# Altium PCB Wolf-Lite_UM.PcbDoc
Units mm, origin at the board's own origin, x right, y up, seen from the top; angles counter-clockwise.
Board outline 136.3 x 62 mm, 2 copper layers (Top Layer, Bottom Layer), stack 1.671 mm thick; 150 components, 73 nets, 426 pads, 173 vias.
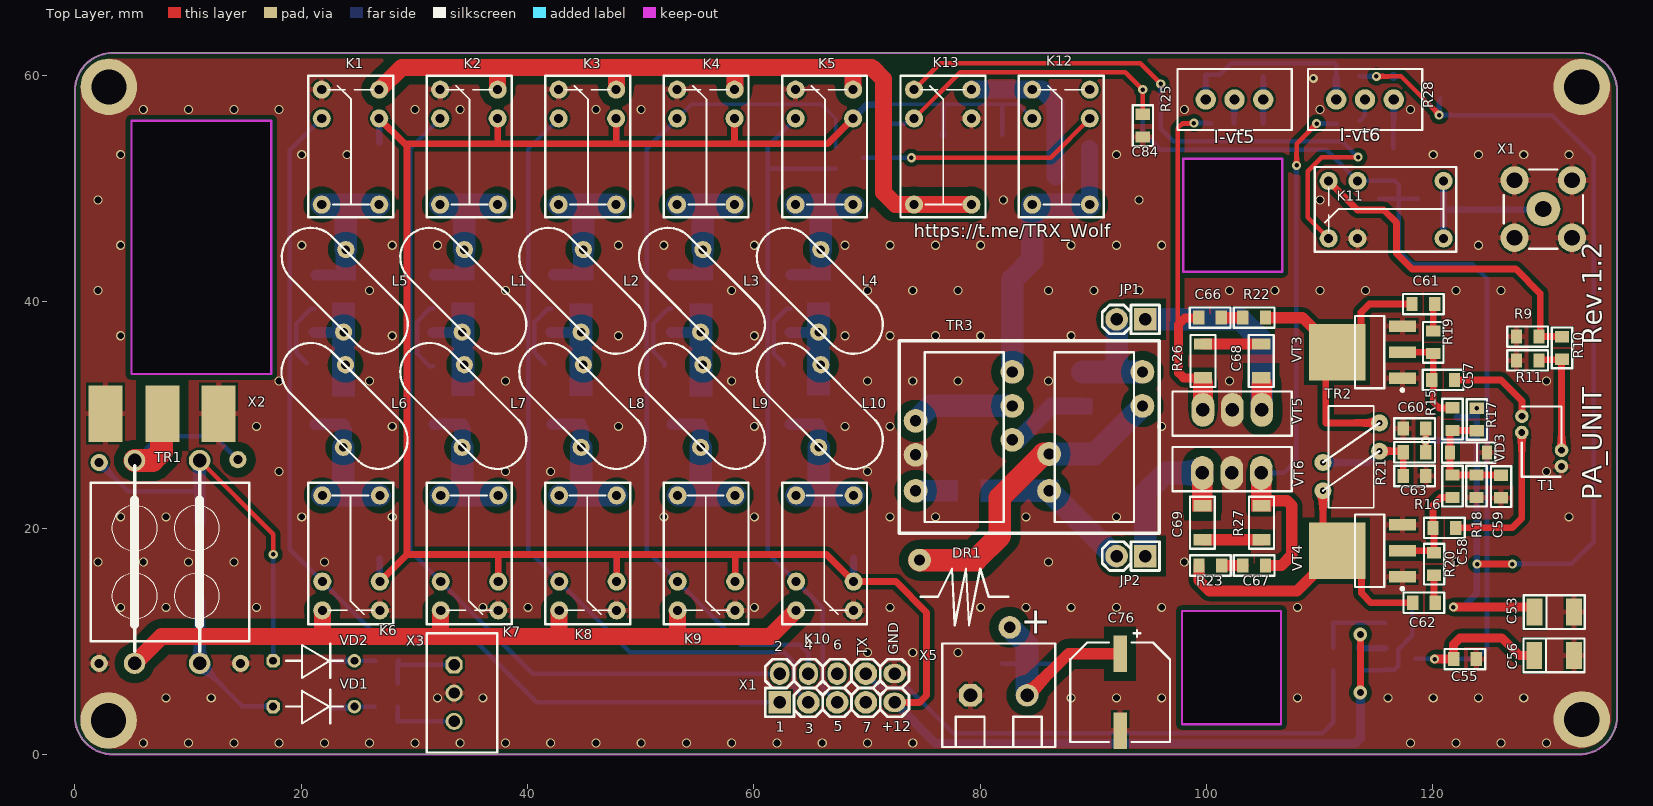
[diagram p0: Top Layer view]
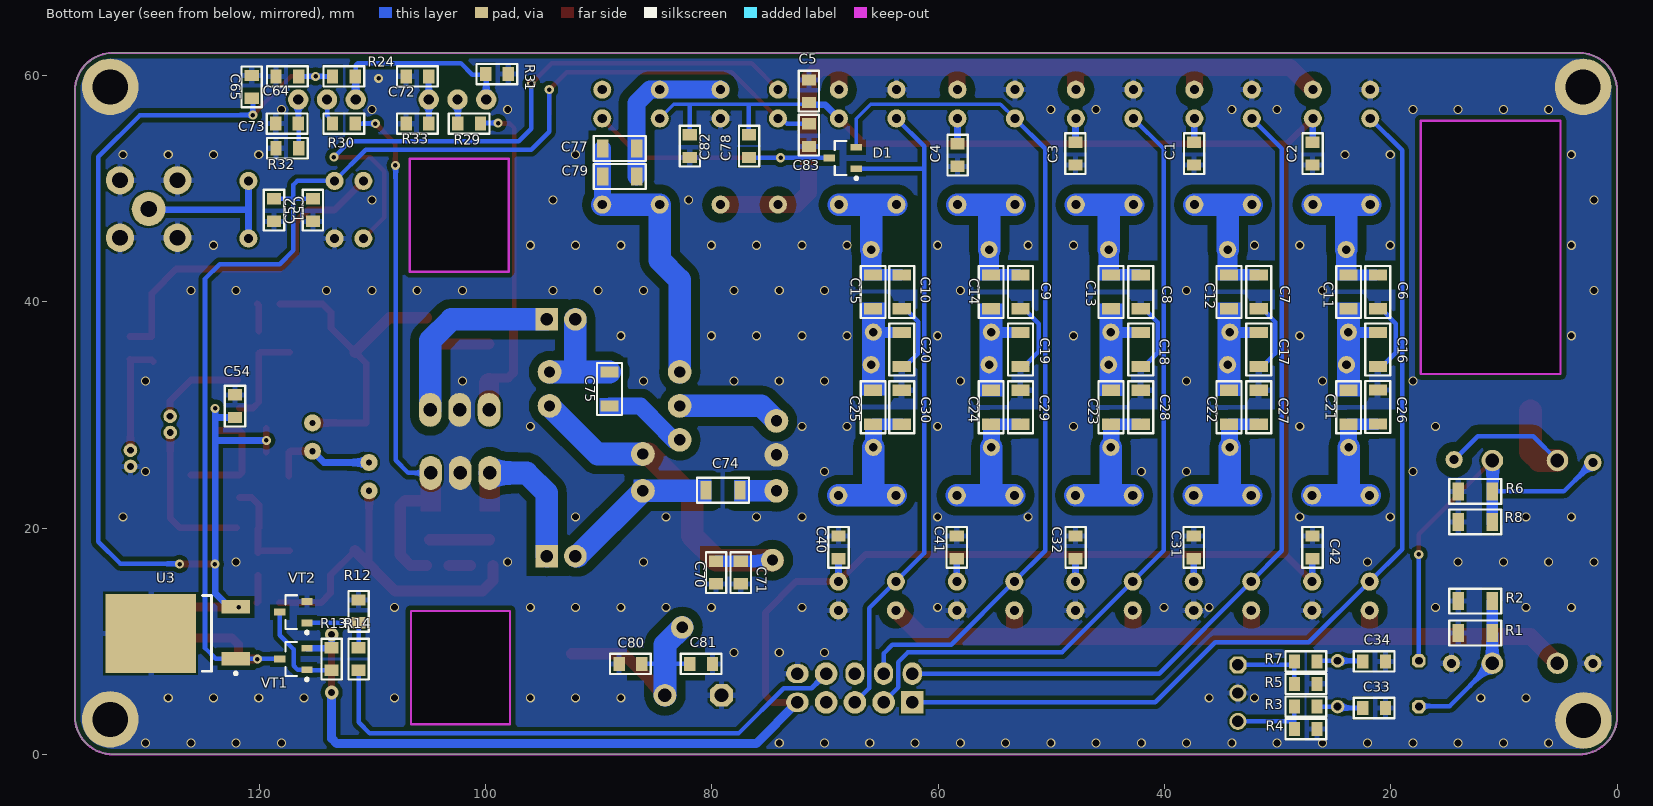
[diagram p1: Bottom Layer view, seen from below]

## Layer stack, top to bottom
Top Solder: solder mask 0.0102, Solder Resist, Dk 3.5
Top Layer: signal copper 0.0356
Dielectric 1: dielectric 1.6, FR-4, Dk 4.8
Bottom Layer: signal copper 0.0356
Bottom Solder: solder mask 0.0102, Solder Resist, Dk 3.5

## Board outline
0,3.375 0,33.625 0,58.625 0,58.846 0.058,59.285 0.172,59.712 0.342,60.121 0.563,60.504 0.832,60.855 1.145,61.168 1.496,61.437 1.879,61.658 2.288,61.828 2.715,61.942 3.154,62 3.375,62 20.725,62 132.925,62 133.146,62 133.585,61.942 134.012,61.828 134.421,61.658 134.804,61.437 135.155,61.168 135.468,60.855 135.737,60.504 135.958,60.121 136.128,59.712 136.242,59.285 136.3,58.846 136.3,58.625 136.3,3.375 136.3,3.154 136.242,2.715 136.128,2.288 135.958,1.879 135.737,1.496 135.468,1.145 135.155,0.832 134.804,0.563 134.421,0.342 134.012,0.172 133.585,0.058 133.146,0 132.925,0 3.375,0 3.154,0 2.715,0.058 2.288,0.172 1.879,0.342 1.496,0.563 1.145,0.832 0.832,1.145 0.563,1.496 0.342,1.879 0.172,2.288 0.058,2.715 0,3.154 0,3.375
cut-out: 5,33.625 17.35,33.625 17.35,56 5,56
cut-out: 97.95,42.65 97.95,52.65 106.7,52.65 106.7,42.65
cut-out: 97.85,2.675 97.85,12.675 106.6,12.675 106.6,2.675

## Design rules (kind name [scope] priority, off if disabled: settings)
BoardOutlineClearance [All] p1: gap=0.3 ignorepadtopadclearanceinfootprint=FALSE
Clearance ZAZOR [InNetClass('ZAZOR')] p1: gap=0.4 ignorepadtopadclearanceinfootprint=FALSE except(0.8: Arc-Fill Arc-Poly Arc-Region Track-Fill Track-Poly Track-Region SMDPad-Fill SMDPad-Poly SMDPad-Region THPad-Fill THPad-Poly THPad-Region Via-Fill Via-Poly Via-Region Fill-Fill Fill-Poly Fill-Region Poly-Poly Poly-Region Region-Region)
Clearance Clearance_NPTH [All vs InPadClass('NPTH')] p2: gap=0.4 ignorepadtopadclearanceinfootprint=FALSE except(0: Arc-Hole Track-Hole SMDPad-Hole THPad-Hole Via-Hole Fill-Hole Poly-Hole Region-Hole Text-Hole)
Clearance Clearance_MultiLayerPad [OnLayer('Multi-Layer') and IsPad] p3: gap=0.2 ignorepadtopadclearanceinfootprint=FALSE except(0: Arc-Hole Track-Hole SMDPad-Hole THPad-Hole Via-Hole Fill-Hole Poly-Hole Region-Hole Text-Hole)
Clearance Clearance_Polygon [InPolygon] p4: gap=0.4 ignorepadtopadclearanceinfootprint=FALSE except(0: Arc-Hole Track-Hole SMDPad-Hole THPad-Hole Via-Hole Fill-Hole Poly-Hole Region-Hole Text-Hole; 1: Poly-Poly)
Clearance [All] p5: gap=0.15 ignorepadtopadclearanceinfootprint=FALSE except(0: Arc-Hole Track-Hole SMDPad-Hole THPad-Hole Via-Hole Fill-Hole Poly-Hole Region-Hole Text-Hole)
Height [All] p1: minheight=0 maxheight=60 prefheight=12.7
HoleSize [All] p1: absolutevalues=TRUE maxlimit=5 minlimit=0.025 maxpercent=80.000 minpercent=20.000
HoleToHoleClearance [All] p1: gap=0.2 allowstackedmicrovias=TRUE
MinimumSolderMaskSliver [All] p1: minsoldermaskwidth=0.05
PlaneClearance [All] p1: clearance=0.5
PlaneConnect [All] p1: planeconnectstyle=Relief reliefexpansion=0.5 reliefentries=4 reliefconductorwidth=0.3 reliefairgap=0.2
PolygonConnect PolygonConnect_PowerPAD [All vs InPadClass('PowerPAD')] p1: connectstyle=Relief reliefconductorwidth=1 reliefentries=4 polygonreliefangle="90 Angle" airgapwidth=0.3
PolygonConnect PolygonConnect_PadGND [InNet('GND') and IsPad] p2: connectstyle=Relief reliefconductorwidth=0.5 reliefentries=4 polygonreliefangle="90 Angle" airgapwidth=0.2
PolygonConnect PolygonConnect_Via [IsVia] p3: connectstyle=Direct reliefconductorwidth=0.254 reliefentries=4 polygonreliefangle="90 Angle" airgapwidth=0.254
PolygonConnect [All] p4: connectstyle=Relief reliefconductorwidth=0.6 reliefentries=4 polygonreliefangle="90 Angle" airgapwidth=0.3
RoutingVias [All] p1: holewidth=0.3 width=0.7 viastyle="Through Hole" minholewidth=0.3 minwidth=0.7 maxholewidth=0.5 maxwidth=1.2
SilkToSilkClearance [All] p1: silktosilkclearance=0
SilkToSolderMaskClearance [IsPad] p1: minsilkscreentomaskgap=0.05 clearancetoexposedcopper=TRUE
SolderMaskExpansion [All] p1: expansion=0.075 istentingtop=FALSE
Width [All] p1: maxlimit=10 minlimit=0.15 preferedwidth=0.4
22 further rules are at their usual default settings.

## Classes and differential pairs
net class ZAZOR: LPF NetC6_1 NetC7_1 NetC8_1 NetC9_1 NetC10_1 NetC11_1 NetC12_1 NetC13_1 NetC14_1 NetC15_1 NetC21_1 NetC22_1 NetC23_1 NetC24_1 NetC25_1 NetC68_2 NetC69_2 NetC70_1 NetC74_1 NetC74_2 NetC75_1 NetC75_2 NetC77_1 NetC77_2 NetK6_5 NetTR1_3 NetTR3_8 POWER
component class Wolf-Lite_LPF: C1 C2 C3 C4 C5 C6 C7 C8 C9 C10 C11 C12 C13 C14 C15 C16 C17 C18 C19 C20 C21 C22 C23 C24 C25 C26 C27 C28 C29 C30 C31 C32 C33 C34 C40 C41 C42 D1 K1 K2 K3 K4 K5 K6 K7 K8 K9 K10 L1 L2 L3 L4 L5 L6 L7 L8 L9 L10 R1 R2 R3 R4 R5 R6 R7 R8 TR1 VD1 VD2 X1 X2 X3
component class Wolf-Lite_UM: C51 C52 C53 C54 C55 C56 C57 C58 C59 C60 C61 C62 C63 C64 C65 C66 C67 C68 C69 C70 C71 C72 C73 C74 C75 C76 C77 C78 C79 C80 C81 C82 C83 C84 DR1 JP1 JP2 K11 K12 K13 R9 R10 R11 R12 R13 R14 R15 R16 R17 R18 R19 R20 R21 R22 R23 R24 R25 R26 R27 R28 R29 R30 R31 R32 R33 T1 TR2 TR3 U3 VD3 VT1 VT2 VT3 VT4 VT5 VT6 X1 X5

## Components (designator, comment, footprint, x,y, rotation, side; value= is the part's Value field where it differs from the comment)
C1 "0.1" CH0805C 37.387,53.098 r90 bottom
C2 "0.1" CH0805C 26.911,53.098 r90 bottom
C3 "0.1" CH0805C 47.881,53.098 r90 bottom
C4 "0.1" CH0805C 58.283,52.971 r90 bottom
C5 "0.1" CH0805C 71.428,58.61 r270 bottom
C6 "1.5nF" CH1206C 21.15,40.875 r270 bottom
C7 "1n" CH1206C 31.675,40.875 r270 bottom
C8 "470p" CH1206C 42.1,40.875 r270 bottom
C9 "157p" CH1206C 52.725,40.875 r270 bottom
C10 "100p" CH1206C 63.225,40.875 r270 bottom
C11 "220p" CH1206C 23.725,40.875 r90 bottom
C12 "100p" CH1206C 34.3,40.875 r90 bottom
C13 "47p" CH1206C 44.725,40.875 r90 bottom
C14 "33p" CH1206C 55.325,40.875 r90 bottom
C15 "22p" CH1206C 65.75,40.875 r90 bottom
C16 "3nF" CH1206C 21.15,35.788 r270 bottom
C17 "2nF" CH1206C 31.675,35.787 r270 bottom
C18 "1n" CH1206C 42.1,35.788 r270 bottom
C19 "330p" CH1206C 52.725,35.787 r270 bottom
C20 "200p" CH1206C 63.225,35.788 r270 bottom
C21 "220p" CH1206C 23.725,30.675 r90 bottom
C22 "100p" CH1206C 34.3,30.675 r90 bottom
C23 "47p" CH1206C 44.725,30.675 r90 bottom
C24 "33p" CH1206C 55.325,30.675 r90 bottom
C25 "22p" CH1206C 65.75,30.684 r90 bottom
C26 "1.5nF" CH1206C 21.15,30.7 r90 bottom
C27 "1n" CH1206C 31.675,30.684 r90 bottom
C28 "470p" CH1206C 42.1,30.684 r90 bottom
C29 "157p" CH1206C 52.725,30.684 r90 bottom
C30 "100p" CH1206C 63.225,30.684 r90 bottom
C31 "0.1" CH0805C 37.417,18.302 r270 bottom
C32 "0.1" CH0805C 47.853,18.302 r270 bottom
C33 "0.1" CH0805C 21.475,4.1 r180 bottom
C34 "0.1" CH0805C 21.475,8.225 r180 bottom
C40 "0.1" CH0805C 68.811,18.302 r270 bottom
C41 "0.1" CH0805C 58.358,18.302 r270 bottom
C42 "0.1" CH0805C 26.923,18.302 r270 bottom
C51 "0.1" CH0805C 115.263,48.11 r90 bottom
C52 "0.1" CH0805C 118.7,48.11 r270 bottom
C53 "22x16" TANTAL_B 130.75,12.575 r0 top
C54 "0.1" CH0805C 122.15,30.775 r270 bottom
C55 "0.1" CH0805C 122.85,8.425 r180 top
C56 "22x16" TANTAL_B 130.725,8.75 r0 top
C57 "10n" CH0805C 120.925,33.1 r180 top
C58 "10n" CH0805C 121.025,20.025 r180 top
C59 "0.1" CH0805C 126.05,23.675 r270 top
C60 "0.1" CH0805C 118.396,28.8 r0 top
C61 "10n" CH0805C 119.175,39.8 r180 top
C62 "10n" CH0805C 119.225,13.4 r180 top
C63 "0.1" CH0805C 118.396,24.6 r180 top
C64 "0.1" CH0805C 117.525,59.925 r0 bottom
C65 "0.1" CH0805C 120.675,59 r90 bottom
C66 "10n" CH0805C 100.325,38.6 r180 top
C67 "10n" CH0805C 104.225,16.7 r0 top
C68 "10n" CH1206C 104.845,34.775 r270 top
C69 "10n" CH1206C 99.65,20.475 r90 top
C70 "0.1" CH0805C 79.625,16.075 r270 bottom
C71 "0.1" CH0805C 77.45,16.075 r270 bottom
C72 "0.1" CH0805C 106.025,59.925 r180 bottom
C73 "0.1" CH0805C 117.55,55.75 r180 bottom
C74 "0.1" CH1206C 79.025,23.35 r180 bottom
C75 "0.1" CH1206C 89.05,32.3 r270 bottom
C76 "220x35" D8C3.2H12 92.375,5.499 r270 top
C77 "100p" CH1206C 88.15,53.551 r0 bottom
C78 "0.1" CH0805C 76.714,53.754 r90 bottom
C79 "100p" CH1206C 88.15,51.075 r0 bottom
C80 "0.1" CH0805C 87.2,8 r180 bottom
C81 "0.1" CH0805C 80.95,8 r0 bottom
C82 "0.1" CH0805C 81.953,53.754 r90 bottom
C83 "0.1" CH0805C 71.428,54.733 r90 bottom
C84 "0.1" CH0805C 94.381,55.571 r90 top
D1 "BAT54A" SOT23_132 68.439,52.712 r0 bottom
DR1 "10uH" DR2 80.65,14.175 r270 top
JP1 "JP1" "CON: PLS-2" 93.333,38.45 r180 top
JP2 "JP2" "CON: PLS-2" 93.333,17.525 r180 top
K1 "" G5V-1 20.632,59.975 r270 top
K2 "" G5V-1 31.102,59.975 r270 top
K3 "" G5V-1 41.571,59.975 r270 top
K4 "" G5V-1 52.041,59.975 r270 top
K5 "" G5V-1 62.511,59.975 r270 top
K6 "" G5V-1 28.132,11.505 r90 top
K7 "" G5V-1 38.602,11.505 r90 top
K8 "" G5V-1 49.071,11.505 r90 top
K9 "" G5V-1 59.541,11.505 r90 top
K10 "" G5V-1 70.011,11.505 r90 top
K11 "" G5V-1 109.58,44.415 r0 top
K12 "" G5V-1 83.427,59.975 r270 top
K13 "" G5V-1 72.975,59.975 r270 top
L1 "1,9 uH" T50-2 34.225,40.85 r225 top
L2 "1uH" T50-6 44.883,40.85 r225 top
L3 "0,6 uH" T50-6 55.45,40.85 r225 top
L4 "0,26 uH" T50-6 65.875,40.85 r225 top
L5 "3.9 uH" T50-2 23.75,40.85 r225 top
L6 "3,9 uH" T50-2 23.725,30.675 r225 top
L7 "1,9 uH" T50-2 34.225,30.675 r225 top
L8 "1uH" T50-6 44.883,30.675 r225 top
L9 "0,6 uH" T50-6 55.45,30.675 r225 top
L10 "0,26 uH" T50-6 65.875,30.675 r225 top
R1 "100" CH1206R 12.537,10.725 r0 bottom
R2 "100" CH1206R 12.537,13.55 r0 bottom
R3 "0" CH0805R 27.517,4.224 r0 bottom
R4 "510" CH0805R 27.517,2.236 r0 bottom
R5 "510" CH0805R 27.517,6.237 r0 bottom
R6 "100" CH1206R 12.537,23.25 r0 bottom
R7 "0" CH0805R 27.517,8.225 r0 bottom
R8 "100" CH1206R 12.537,20.55 r0 bottom
R9 "300" CH0805R 128.4,36.925 r0 top
R10 "18" CH0805R 131.425,35.925 r270 top
R11 "300" CH0805R 128.4,34.825 r0 top
R12 "10K" CH0805R 111.219,12.65 r270 bottom
R13 "10K" CH0805R 113.607,8.425 r90 bottom
R14 "1K" CH0805R 111.219,8.425 r90 bottom
R15 "330" CH0805R 121.75,29.625 r90 top
R16 "330" CH0805R 121.75,23.7 r90 top
R17 "150*" CH0805R 123.9,29.6 r90 top
R18 "330" CH0805R 123.875,23.7 r90 top
R19 "330" CH0805R 120.05,36.425 r270 top
R20 "330" CH0805R 120.125,16.825 r90 top
R21 "10" CH0805R 118.396,26.7 r180 top
R22 "33" CH0805R 104.225,38.6 r180 top
R23 "33" CH0805R 100.35,16.7 r0 top
R24 "330" CH0805R 112.525,59.925 r180 bottom
R25 "" "RES: 3296W" 99.944,57.875 r0 top
R26 "2,2K" CH1206R 99.7,34.775 r90 top
R27 "2,2K" CH1206R 104.875,20.475 r270 top
R28 "" "RES: 3296W" 111.475,57.875 r0 top
R29 "1K" CH0805R 101.45,55.75 r180 bottom
R30 "1K" CH0805R 112.525,55.75 r180 bottom
R31 "1K" CH0805R 99,60.125 r180 bottom
R32 "2.2K" CH0805R 117.525,53.575 r0 bottom
R33 "2.2K" CH0805R 106.025,55.75 r0 bottom
T1 "BN-43-302" FT-37-43 130.475,24.65 r180 top
TR1 "BN43-302" TANDEM 7.9,17 r90 top
TR2 "TR-kolco" TR-Kolco 110.8,30.775 r0 top
TR3 "TR-UM" TR-UM 72.8,36.475 r0 top
U3 "LM7809" DPAK 125.325,10.75 r0 bottom
VD1 "BAT46JFILM" D9B 20.75,4 r90 top
VD2 "BAT46JFILM" D9B 20.75,8.05 r90 top
VD3 "1N4148" SOD123 121.525,26.675 r0 top
VT1 "IRFR6402" SOT23_132 116.992,8.425 r0 bottom
VT2 "" SOT23_123 116.992,12.575 r0 bottom
VT3 "BFG591" BFG 120.95,35.65 r180 top
VT4 "BFG591" BFG 120.95,18.1 r180 top
VT5 "RD16HHF1" rd16 101.772,34.175 r0 top locked
VT6 "RD16HHF1" rd16 102.775,21.15 r180 top locked
X1 "PLD10" "CON: PLD-10" 67.365,5.87 r0 top
X1 "TX-IN" "CON: SMA" 129.775,48.2 r0 top
X2 "TX/RX" Connect 7.711,30.396 r90 top
X3 "" "CON: CWF-3" 33.514,5.419 r270 top
X5 "" "CON: 300-02P-5.0" 81.65,5.225 r0 top

## Footprints (in the part's own frame and the unit in brackets; to place one, negate y for a bottom-side part, rotate by r counter-clockwise, add the part's x,y. Pads: shape width x height; smd on the part's side, far side on the other; paste and mask are expansions set on the pad)
BFG [mm]
  rect 5x5 smd: 1(9.4,0.1)
  rect 2.4x1 smd: 2(3.625,0.1) 3(3.625,-2.2) 3(3.625,2.4)
  round 0.5 on Mech1: ""(3.525,2.8)
  silkscreen extent 3.5,-3.1 7.82,3.57, body extent 3.05,-3.27 10.01,3.22, height 1.65
CH0805C [mm] "Chip Capacitor, 2-Leads, Body 2,00x1,20mm, IPC Medium Density"
  rect 1x1.25 smd: 1(-1,0) 2(1,0)
  silkscreen extent -1.8,-0.9 1.8,0.9, body extent -1,-0.62 1,0.63, height 0.78
CH0805R [mm]
  rect 1x1.25 smd: 1(-1,0) 2(1,0)
  silkscreen extent -1.8,-0.9 1.8,0.9, body extent -1,-0.6 1,0.6, height 0.44
CH1206C [mm] "Non polar chip capacitor, size 1206"
  rect 1x1.6 smd: 1(-1.5,0) 2(1.5,0)
  silkscreen extent -2.3,-1.1 2.3,1.1, body extent -1.6,-0.8 1.6,0.8, height 1
CH1206R [mm] "Chip Resistor, 2-Leads, Body 3,0x1,5mm, IPC Low Density"
  rect 1x1.6 smd: 1(-1.5,0) 2(1.5,0)
  silkscreen extent -2.3,-1.1 2.3,1.1, body extent -1.65,-0.8 1.55,0.8, height 0.47
"CON: 300-02P-5.0" [mm] "2 pin 5.08mm screw connector"
  oct 2x2 hole 1.2: 1(-2.5,0)
  round 2 hole 1.2: 2(2.5,0)
  round 0.5 on Mech1: 13(-4.4,-3.9)
  silkscreen extent -5,-4.57 5,4.57, body extent -5.08,-4.44 5.08,4.56, height 12.5
"CON: CWF-3" [mm]
  oct 1.5x1.5 hole 1: 1(-2.5,0)
  round 1.5 hole 1: 2(0,0) 3(2.5,0)
  round 0.5 on Mech1: 28(-4.5,-1.7)
  silkscreen extent -5.29,-2.41 5.25,3.81, body extent -5,-2.2 5,3.55, height 7
"CON: PLD-10" [mm]
  rect 2x2 hole 1.1: 1(-5.08,-1.27)
  oval 1.7x2 hole 1.1: 2(-5.08,1.27) 4(-2.54,1.27) 6(0,1.27)
  round 2 hole 1.1: 3(-2.54,-1.27) 5(0,-1.27) 7(2.54,-1.27) 8(2.54,1.27)
  oval 2x1.7 hole 1.1: 9(5.08,-1.27) 10(5.08,1.27)
  silkscreen extent -6.35,-2.54 6.35,2.54, body extent -6.35,-2.54 6.35,2.54, height 8.54
"CON: PLS-2" [mm]
  rect 2x2 hole 1.1: 1(-1.27,0)
  round 2 hole 1.1: 2(1.27,0)
  silkscreen extent -2.54,-1.27 2.54,1.27, body extent -2.57,-1.28 2.51,1.26, height 8.54
"CON: SMA" [mm]
  round 3 hole 1.45: 1(0,0)
  round 2.5 hole 1.4: 2(-2.54,-2.54) 2(-2.54,2.54) 2(2.54,-2.54) 2(2.54,2.54)
  silkscreen extent -3.5,-3.5 3.5,3.5, body extent -3.5,-3.5 3.5,3.5, height 9.53
Connect [mm]
  rect 5x3 smd: 1(-0.271,-0.014) 2(-0.271,5) 2(-0.271,-5)
D8C3.2H12 [mm]
  rect 3.2x1.2 smd: 1(-3.4,0) 2(3.4,0)
  round 0.5 on Mech1: ""(-4.3,-3.7)
  silkscreen extent -5.5,-4.4 4.4,4.4, body extent -4.85,-4.25 4.85,4.25, height 10.5
D9B [mm] "Диод"
  oct 1.2x1.2 hole 0.7: 1(0.225,3.225)
  round 1.2 hole 0.7: 2(0.225,-3.95)
  silkscreen extent -1.27,-2.93 1.73,2.07, body extent -0.77,-4.13 1.23,3.37, height 3
DPAK [mm] "D-Pak, Body 6,2x6,7mm"
  rect 2.5x1.2 smd: 1(-3.25,2.29) 3(-3.25,-2.29)
  rect 8x7 smd: 2(4.25,0.075)
  round 0.5 on Mech2: ""(-3.2,2.9)
  silkscreen extent -3.37,-3.3 -0.3,3.71, body extent -3.8,-3.32 6.3,3.42, height 2.37
DR2 [mm]
  round 2 hole 1: 1(-3,-6) 2(2.95,1.975)
  silkscreen extent -2.25,-5.89 2.75,1.86, body extent -3.4,-6.4 3.4,2.4, height 7.8
FT-37-43 [mm]
  round 1.2 hole 0.6: 1(-0.911,-2.234) 2(2.589,-5.234) 3(-0.9,-0.8) 4(2.6,-3.8)
  silkscreen extent -0.9,-6.1 2.6,0.1, body extent 0,-5.98 1.65,-0.03, height 5.97
G5V-1 [mm]
  round 1.6 hole 0.8: 1(3.77,1.185) 2(3.77,6.265) 3(11.385,6.265) 3(11.385,1.185) 4(1.225,1.185) 5(1.225,6.265)
  round 0.5 on Mech1: ""(0.475,0.41)
  silkscreen extent 0,0 12.5,7.5, body extent 0.12,0.05 12.42,7.35, height 10
rd16 [mm] "RD16"
  oval 2x3 hole 1.2: 1(-2.075,-3.725) 2(0.525,-3.725) 3(3.125,-3.725)
  silkscreen extent -4.77,-6.01 5.77,-2.11, body extent -4.25,-4.01 5.25,19.6, height 1.19
"RES: 3296W" [mm]
  round 1.8 hole 0.9: 1(0,0) 2(2.54,0) 3(5.08,0)
  round 0.5 on Top Overlay: 4(-3,2.5)
  silkscreen extent -2.5,-2.7 7.6,2.7, body extent -2.22,-2.4 7.31,2.4, height 11.55
SOD123 [mm]
  rect 0.91x1.22 smd: 1(0,0) 2(3.275,0)
  round 0.5 on Mech1: 4(3,0.4)
  silkscreen extent -0.7,-0.9 4,0.9, body extent -0.25,-0.8 3.45,0.8, height 1.25
SOT23_123 [mm] "SOT23, 3-Leads, Body 3,0x2,6mm (max), Pitch 0,95mm, IPC Medium Density"
  rect 1x0.6 smd: 1(-1.2,0.95) 2(1.2,0) 3(-1.2,-0.95)
  round 0.5 on Mech2: ""(-0.9,1.1)
  silkscreen extent -1.32,-1.5 0.7,1.92, body extent -1.32,-1.52 1.32,1.52, height 1.12
SOT23_132 [mm] "SOT23, 3-Leads, Body 3,0x2,6mm (max), Pitch 0,95mm, IPC Medium Density"
  rect 1x0.6 smd: 1(-1.2,0.95) 2(-1.2,-0.95) 3(1.2,0)
  round 0.5 on Mech2: ""(-0.9,1.1)
  silkscreen extent -1.32,-1.5 0.7,1.92, body extent -1.32,-1.52 1.32,1.52, height 1.12
T50-2 [mil]
  round 60 hole 30: 1(-110.24,-99.41) 2(98.43,98.42)
  silkscreen extent -108,-268 95,267, body extent -96,-256 85,256, height 515
T50-6 [mil]
  round 60 hole 30: 1(-106.3,-103.35) 2(102.36,94.49)
  silkscreen extent -104,-272 99,263, body extent -93,-260 89,252, height 515
TANDEM [mm]
  round 1.9 hole 1.2: 1(-8.95,-3.125) 2(8.975,-3.125) 3(8.975,2.625) 4(-8.95,2.625)
  round 1.524 hole 0.8: 5(-8.95,5.75) 6(9.05,-6.5) 7(-8.95,-6.75) 8(8.8,5.75)
  silkscreen extent -7.88,-7.5 8.5,6.5, body extent -4.8,-7 5.45,6.2, height 7.55
TANTAL_B [mm]
  rect 1.4x2.4 smd: 1(-1.75,0) 2(1.75,0)
  round 0.5 on Mech1: ""(-1.4,1)
  silkscreen extent -2.7,-1.5 2.7,1.5, body extent -1.85,-1.46 1.85,1.47, height 2.03
TR-Kolco [mm]
  round 1.5 hole 0.55: 1(4.5,-1.475) 2(-0.5,-4.975) 3(4.5,-3.975) 4(-0.5,-7.475)
  silkscreen extent -0.5,-8.97 4.5,0.03, body extent 0.78,-7.5 3.28,-1.2, height 6.35
TR-UM [mm]
  round 2.1 hole 1: 1(21.55,-2.675) 2(13.3,-13.175) 3(10.05,-8.675) 4(1.5,-13.175) 5(13.3,-9.925) 5(21.55,-5.675) 6(10.05,-2.675) 7(1.5,-10) 8(10.05,-5.675) 9(1.5,-7)
  silkscreen extent 0.05,-16.92 23.05,0.08, body extent 2.6,-14.67 20.6,-1.97, height 12.7

## Part data
C1 C2 C3 C4 C5 C6 C7 C8 C9 C10 C11 C12 C13 C14 C15 C16 C17 C18 C19 C20 C21 C22 C23 C24 C25 C26 C27 C28 C29 C30 C31 C32 C40 C41 C42: library part C_smd
C33 C34 C51 C52 C54 C55 C57 C58 C59 C60 C61 C62 C63 C64 C65 C66 C67 C68 C69 C70 C71 C72 C73 C74 C75 C77 C78 C79 C80 C81 C82 C83 C84: library part Capacitor
C53 C56 C76: library part AlumCap
D1: library part BAT54
DR1: library part Inductor-1
JP1: library part JP2
K1 K2 K3 K4 K5 K6 K7 K8 K9 K10 K11 K12 K13: library part G5V-1
L1 L2 L3 L4 L5 L6 L7 L8 L9 L10: library part L
R1 R2 R3 R4 R5 R6 R7 R8 R9 R10 R11 R12 R13 R14 R15 R16 R17 R18 R19 R20 R21 R22 R23 R24 R26 R27 R29 R30 R31 R32 R33: library part Resistor
R25 R28: library part "ADJ resistor"
U3: library part Kren_5
VD1 VD2 VD3: library part Diod
VT1: library part P-KANAL
VT2 VT3 VT4: library part N-P-N
VT5 VT6: library part N
X1: library part 10-Connector
X1 X2: library part SMA, "RF", System=Connector
X3: library part 3-Connector
X5: library part 2-Connector

## Free pads (board coordinates)
  round 5 hole 3.1: 3(2.975,3) 3(3,59) 3(133.175,3.1) 3(133.175,59)

## Via types
v1: diameter 0.8, hole 0.6, Top Layer to Bottom Layer, tented both sides, 154 vias
v2: diameter 0.8, hole 0.4, Top Layer to Bottom Layer, tented both sides, 17 vias
v3: diameter 1.2, hole 0.6, Top Layer to Bottom Layer, tented both sides, 2 vias

## Nets (pads, with @x,y where several pads share a name; then routed paths per layer and width w, separated by ;. In a path a pad name is that pad's centre, name@x,y a point inside that pad or via, vN(x,y) a via of type N, cw(c..) or ccw(c..) an arc to the next point about the centre after c; other vN are vias at no path point)
1.8: K1.1 K6.2 X1.1@62.285,4.6 | length 88.1
  Bottom Layer w0.4: K1.1 19,53.389 19,18.142 K6.2 27.242,9.9 35.525,9.9 40.825,4.6 X1.1@62.285,4.6
3.5: K2.1 K7.2 X1.2@62.285,7.14 | length 76.5
  Bottom Layer w0.4: K2.1 29.625,53.544 29.625,17.987 K7.2 40.472,7.14 X1.2@62.285,7.14
5.8: K3.1 K8.2 X1.3 | length 71
  Bottom Layer w0.4: K3.1 40.05,53.499 40.05,18.031 K8.2 49.056,9.025 62.675,9.025 63.535,8.165 63.535,5.916 64.825,4.626 X1.3
8-17: D1.2 K4.1 K9.2 X1.4 | length 76.7
  Bottom Layer w0.3: K4.1 54.496,57.475 65.95,57.475 67.239,56.186 D1.2
  Bottom Layer w0.4: K4.1 50.55,53.529 50.55,18.001 K9.2 58.852,9.7 64.05,9.7 64.825,8.925 X1.4
17-32: D1.1 K5.1 K10.2 X1.5 | length 61.2
  Bottom Layer w0.4: K5.1 61.225,53.734 61.225,51.725 ; D1.1 61.262,51.762 61.225,51.725 ; X1.5 66.115,5.85 66.115,12.906 K10.2 61.225,17.796 61.225,51.725
+9: C53.1 C54.2 C60.2 C64.1 C65.1 R17.2 R21.1 R24.1 U3.3 | length 104.9
  Top Layer w0.4: v2(115.025,59.925) 117.2,59.925 v2@120.575,56.55
  Top Layer w0.6: R21.1 C60.2 ; v2(123.925,16.825) v2(127.05,16.825)
  Top Layer w0.8: v2(121.825,13.025) C53.1@129.025,13.025
  Bottom Layer w0.4: R24.1 C64.1 ; C65.1 120.575,57.9 v2(120.575,56.5) 130.55,56.5 134.225,52.825 134.225,18.8 132.275,16.85 v2@126.975,16.85
  Bottom Layer w0.6: v2(119.375,27.75) 123.775,27.75 ; C54.2 123.825,29.775 123.9,29.7 ; U3.3@123.05,13.4 123.9,14.25 123.9,29.7 ; v2(123.9,30.58) 123.9,29.7
+12: C1.2 C2.2 C3.2 C4.2 C5.2 C31.2 C32.2 C40.2 C41.2 C42.2 C78.2 C82.2 K1.2 K2.2 K3.2 K4.2 K5.2 K6.1 K7.1 K8.1 K9.1 K10.1 K12.1 R13.2 VT1.2 X1.9 | length 252.2
  Top Layer w0.6: K1.2 29.127,53.975 ; K6.1 29.345,17.673 ; K2.2 37.367,54.008 37.4,53.975 ; K7.1 37.417,17.673 ; K3.2 47.836,53.975 ; K8.1 47.886,17.61 47.95,17.673 ; K4.2 58.306,53.975 ; K9.1 58.356,17.673 ; K5.2 66.546,53.975 58.306,53.975 ; X1.9 74.65,4.6 75.275,5.225 75.275,12.55 72.55,15.275 K10.1 66.428,17.673 58.356,17.673 ; v3(113.615,5.469) v3(113.615,10.6) ; 29.127,53.975 29.345,53.757 29.345,17.673 ; 29.127,53.975 37.4,53.975 ; 29.345,17.673 37.417,17.673 ; 37.4,53.975 47.836,53.975 ; 37.417,17.673 47.95,17.673 ; 47.836,53.975 58.306,53.975 ; 47.95,17.673 58.356,17.673
  Bottom Layer w0.3: C5.2 71.588,57.45 83.368,57.45 K12.1
  Bottom Layer w0.4: C78.2@76.75,54.79 76.75,57.309 ; C82.2 81.953,57.318
  Bottom Layer w0.6: K1.2 26.904,56.198 26.904,54.106 C2.2 ; C42.2 26.935,17.29 26.935,15.287 K6.1 ; K2.2 37.377,56.195 37.377,54.108 C1.2 ; K7.1 C31.2 ; K3.2 47.859,56.183 47.859,54.12 C3.2 ; C32.2 47.87,17.286 47.87,15.292 K8.1 ; C4.2 58.295,53.982 58.295,56.193 K4.2 ; K9.1 C41.2 ; K5.2@68.779,56.203 K5.2 69.981,57.41 71.228,57.41 C5.2 ; C40.2 68.819,17.294 68.819,15.283 K10.1 ; C78.2 C78.2@76.75,54.79 ; R13.2 v3@113.607,10.517 ; R13.2@113.657,9.375 VT1.2
  Bottom Layer w0.8: X1.9 76.098,0.947 113.139,0.947 113.607,1.416 113.607,5.461 v3(113.615,5.469) ; R13.2 R13.2@113.657,9.375
+TX: C51.2 C52.1 C55.2 C56.1 C83.2 C84.2 K11.2 K13.1 U3.1 VT1.3 | length 124.4
  Top Layer w0.4: K13.1 78.255,60.3 92.828,60.3 v2(94.378,58.75) 94.378,56.574 C84.2
  Top Layer w0.8: v2(120.175,8.425) C55.2 121.85,9.725 122.425,10.3 126.1,10.3 127.65,8.75 C56.1
  Bottom Layer w0.4: C83.2 73.363,55.733 73.835,56.205 K13.1 ; v2(94.378,58.75) 94.378,55.022 95.975,53.425 110.5,53.425 110.605,53.425 K11.2 116.645,50.68 116.982,50.343 116.982,49.11 ; C51.2 116.982,49.11 ; VT1.3@118.45,8.45 122.065,8.45 U3.1 123.86,8.46 124.8,9.4 124.8,42.025 123.5,43.325 118.2,43.325 116.982,44.543 116.982,49.11 ; C52.1 116.982,49.11
GND: C1.1 C2.1 C3.1 C4.1 C5.1 C6.2 C7.2 C8.2 C9.2 C10.2 C16.2 C17.2 C18.2 C19.2 C20.2 C26.2 C27.2 C28.2 C29.2 C30.2 C31.1 C32.1 C33.2 C34.2 C40.1 C41.1 C42.1 C51.1 C52.2 C53.2 C54.1 C55.1 C56.2 C59.2 C60.1 C63.1 C64.2 C65.2 C70.2 C71.2 C72.1 C73.1 C76.2 C80.1 C81.1 C82.1 C83.1 C84.1 K1.4 K2.4 K3.4 K4.4 K5.4 K6.4 K7.4 K8.4 K9.4 K10.4 K11.1 K13.2 pad.3 R1.2 R2.2 R4.1 R5.1 R6.2 R8.2 R9.1 R11.1 R12.1 R18.1 R31.2 R32.2 R33.2 T1.3 TR1.5 TR1.7 TR3.7 U3.2 VD3.2 VT2.3 VT3.3 VT4.3 VT5.2 VT6.2 X1.2@127.235,45.66 X1.2@127.235,50.74 X1.2@132.315,45.66 X1.2@132.315,50.74 X1.10 X2.2 X3.2 X5.1 | length 31.1
  Bottom Layer w0.4: C16.2@20.482,34.578 19.55,35.51 19.55,38.075 20.85,39.375 C6.2 ; C17.2 31.375,34.287 30.237,35.426 30.237,38.237 31.375,39.375 C7.2 ; C18.2@41.517,34.507 41.517,34.57 40.6,35.488 40.6,38.175 41.8,39.375 C8.2 ; C19.2@52.147,34.344 52.147,34.566 51.1,35.613 51.1,38.05 52.425,39.375 C9.2 ; C20.2@62.635,34.421 62.635,34.577 61.775,35.438 61.775,38.225 62.925,39.375 C10.2
  other v1: 6.05,1 10.05,1 14.05,1 18.05,1 22.05,1 26.05,1 30.05,1 34.05,1 38.05,1 42.05,1 46.05,1 50.05,1 54.05,1 58.05,1 62.05,1 66.05,1 70.05,1 74.05,1 118.05,1 122.05,1 126.05,1 130.05,1 8.05,5 12.05,5 32.05,5 36.05,5 88.05,5 92.05,5 96.05,5 108.05,5 116.05,5 120.05,5 124.05,5 128.05,5 70.05,9 74.05,9 78.05,9 4.05,13 8.05,13 16.05,13 36.05,13 40.05,13 60.05,13 72.05,13 80.05,13 84.05,13 88.05,13 92.05,13 96.05,13 108.05,13 2.05,17 6.05,17 10.05,17 14.05,17 22.05,17 86.05,17 98.05,17 122.05,17 4.05,21 8.05,21 20.05,21 28.05,21 52.05,21 60.05,21 72.05,21 76.05,21 84.05,21 92.05,21 132.05,21 18.05,25 38.05,25 42.05,25 70.05,25 130.05,25 16.05,29 28.05,29 48.05,29 60.05,29 68.05,29 72.05,29 96.05,29 18.05,33 26.05,33 38.05,33 58.05,33 70.05,33 74.05,33 78.05,33 86.05,33 102.05,33 130.05,33 4.05,37 28.05,37 48.05,37 60.05,37 68.05,37 72.05,37 76.05,37 80.05,37 88.05,37 2.05,41 26.05,41 38.05,41 58.05,41 70.05,41 74.05,41 78.05,41 86.05,41 90.05,41 94.05,41 102.05,41 106.05,41 110.05,41 114.05,41 122.05,41 126.05,41 4.05,45 20.05,45 28.05,45 32.05,45 48.05,45 52.05,45 60.05,45 68.05,45 72.05,45 76.05,45 80.05,45 88.05,45 92.05,45 96.05,45 124.05,45 2.05,49 82.05,49 94.05,49 110.05,49 4.05,53 20.05,53 24.05,53 92.05,53 120.05,53 124.05,53 128.05,53 132.05,53 6.05,57 10.05,57 14.05,57 18.05,57 30.05,57 34.05,57 46.05,57 50.05,57 98.05,57 110.05,57 118.05,57
  other v2: 109.45,59.75
LPF: K1.5 K2.5 K3.5 K4.5 K5.5 K13.3 | length 72.2
  Top Layer w1.5: K1.5 26.924,58.75 28.899,60.725 37.367,60.725 ; K2.5 37.367,60.725 ; K3.5 47.856,58.769 47.856,60.581 48,60.725 ; K4.5 58.326,58.769 58.326,60.576 58.475,60.725 ; K5.5 68.757,58.769 68.757,60.618 68.65,60.725 ; K13.3@79.24,48.59 74.16,48.59 74.141,48.609 72.516,48.609 71.475,49.65 71.475,59.675 70.425,60.725 68.65,60.725 ; 37.367,60.725 48,60.725 ; 48,60.725 58.475,60.725 ; 58.475,60.725 68.65,60.725
Net_RX/TX: K11.4 K13.4 | length 57.6
  Top Layer w0.4: K13.4 76.485,61.075 94.153,61.075 v2(95.969,59.259) ; K11.4 108.95,47.455 108.95,51.55 110.181,52.781 v2(113.405,52.781)
  Bottom Layer w0.4: v2(95.969,59.259) 95.969,55.281 97.075,54.175 111.775,54.175 112,54.175 v2@113.35,52.825
Net_Z1: C66.2 R26.1 R29.2 VT5.1 | length 32.8
  Top Layer w0.4: 97.55,36.875 97.45,36.975 97.45,55.325 97.9,55.775 v2@98.975,55.775
  Top Layer w0.8: C66.2 99.275,38.55 98.1,38.55 97.55,38 97.55,36.875 97.55,33.725 98,33.275 R26.1 ; VT5.1 VT5.1@99.7,30.453
  Top Layer w1.8: VT5.1@99.7,30.453 R26.1@99.7,32.825
  Bottom Layer w0.4: v2(98.9,55.8) 100.4,55.8 R29.2
Net_Z2: C67.2 R27.1 R30.2 VT6.1 | length 48.6
  Top Layer w0.4: v2(107.975,52.05) 107.975,53.975 v2(109.75,55.75)
  Top Layer w1: R27.1@104.85,22.425 107.125,22.425 107.55,22 107.55,17.625 106.625,16.7 C67.2 ; R27.1@104.925,21.975 R27.1@104.925,22.35
  Top Layer w1.8: R27.1@104.85,22.425 VT6.1
  Bottom Layer w0.4: VT6.1 106.825,24.875 107.95,26 v2@107.95,51.975 ; v2@109.725,55.75 R30.2
NetC6_1: C6.1 C11.2 K1.3 L5.1 | length 11.6
  Bottom Layer w1: C6.1@21.325,42.375 C11.2@23.85,42.375
  Bottom Layer w2: K1.3@21.817,48.59 23.85,48.59 ; L5.1 23.944,48.496 23.85,48.59 ; K1.3@26.897,48.59 23.85,48.59
NetC7_1: C7.1 C12.2 K2.3 L1.1 | length 11.7
  Bottom Layer w1: C7.1@31.808,42.385 C12.2@34.333,42.385
  Bottom Layer w2: K2.3@32.287,48.59 34.75,48.59 ; L1.1 34.419,48.259 34.75,48.59 ; K2.3@37.367,48.59 34.75,48.59
NetC8_1: C8.1 C13.2 K3.3 L2.1 | length 11.7
  Bottom Layer w1: C8.1@42.308,42.385 C13.2@44.833,42.385
  Bottom Layer w2: K3.3@42.756,48.59 45.225,48.59 ; L2.1 44.936,48.301 45.225,48.59 ; K3.3@47.836,48.59 45.225,48.59
NetC9_1: C9.1 C14.2 K4.3 L3.1 | length 11.6
  Bottom Layer w1: C9.1@52.883,42.385 C14.2@55.408,42.385
  Bottom Layer w2: K4.3@53.226,48.59 55.503,48.59 ; L3.1 55.503,48.59 ; K4.3@58.306,48.59 55.503,48.59
NetC10_1: C10.1 C15.2 K5.3 L4.1 | length 11.6
  Bottom Layer w1: C10.1@63.308,42.385 C15.2@65.833,42.385
  Bottom Layer w2: K5.3@63.696,48.59 65.928,48.59 ; L4.1 65.928,48.59 ; K5.3@68.776,48.59 65.928,48.59
NetC11_1: C11.1 C16.1 C21.2 L5.2 L6.1 | length 4.7
  Bottom Layer w1: C16.1 23.723,37.288 L5.2 23.75,39.35 C11.1
NetC12_1: C12.1 C17.1 C22.2 L1.2 L7.1 | length 4.7
  Bottom Layer w1: C17.1 34.198,37.287 L1.2 ; C12.1@34.3,39.1 C12.1
  Bottom Layer w1.5: L1.2 34.25,37.339 34.25,39.05 C12.1@34.3,39.1
NetC13_1: C13.1 C18.1 C23.2 L2.2 L8.1 | length 4.7
  Bottom Layer w1: C18.1 44.715,37.288 L2.2 ; C13.1@44.725,39.075 C13.1
  Bottom Layer w1.5: C13.1@44.725,39.075 44.742,39.058 L2.2
NetC14_1: C14.1 C19.1 C24.2 L3.2 L9.1 | length 4.7
  Bottom Layer w1: C19.1 55.282,37.287 L3.2 ; C14.1@55.325,39.075 C14.1
  Bottom Layer w1.5: L3.2 55.309,39.059 C14.1@55.325,39.075
NetC15_1: C15.1 C20.1 C25.2 L4.2 L10.1 | length 4.3
  Bottom Layer w1: C20.1 65.707,37.288 L4.2
  Bottom Layer w1.5: L4.2 65.75,37.331 C15.1@65.75,39.075
NetC21_1: C21.1 C26.1 K6.3 L6.2 | length 13.4
  Bottom Layer w1: C26.1@21.225,29.184 C21.1@23.75,29.184
  Bottom Layer w1.5: L6.2@23.734,27.14 23.734,28.659
  Bottom Layer w2: K6.3@21.867,22.89 23.723,22.89 ; L6.2 23.725,22.892 23.723,22.89 ; K6.3@26.947,22.89 23.723,22.89
NetC22_1: C22.1 C27.1 K7.3 L7.2 | length 13.4
  Bottom Layer w1: C27.1@31.75,29.184 C22.1@34.275,29.184
  Bottom Layer w1.5: L7.2@34.259,27.14 34.259,28.659
  Bottom Layer w2: K7.3@32.337,22.89 34.225,22.89 ; L7.2 34.225,22.89 ; K7.3@37.417,22.89 34.225,22.89
NetC23_1: C23.1 C28.1 K8.3 L8.2 | length 13.5
  Bottom Layer w1: C28.1@42.2,29.184 C23.1@44.725,29.184
  Bottom Layer w1.5: L8.2@44.709,27.14 44.709,28.659
  Bottom Layer w2: K8.3@42.806,22.89 45.025,22.89 ; L8.2 44.742,23.173 45.025,22.89 ; K8.3@47.886,22.89 45.025,22.89
NetC24_1: C24.1 C29.1 K9.3 L9.2 | length 13.4
  Bottom Layer w1: C29.1@52.775,29.184 C24.1@55.3,29.184
  Bottom Layer w1.5: L9.2@55.284,27.14 55.284,28.659
  Bottom Layer w2: K9.3@53.276,22.89 55.282,22.89 ; L9.2 55.309,22.917 55.282,22.89 ; K9.3@58.356,22.89 55.282,22.89
NetC25_1: C25.1 C30.1 K10.3 L10.2 | length 13.4
  Bottom Layer w1: C30.1 C25.1
  Bottom Layer w1.5: L10.2 65.734,28.659
  Bottom Layer w2: K10.3@63.746,22.89 65.825,22.89 ; L10.2 65.734,22.982 65.825,22.89 ; K10.3@68.826,22.89 65.825,22.89
NetC33_1: C33.1 R3.1 VD1.2 | length 4.1
  Bottom Layer w0.4: C33.1 24.575,4.1 VD1.2 26.516,4.225 R3.1
NetC34_1: C34.1 R7.1 VD2.2 | length 4.1
  Bottom Layer w0.4: C34.1 22.525,8.275 VD2.2 26.484,8.275 R7.1@26.534,8.225
NetC57_1: C57.1 T1.2 | length 8.1
  Top Layer w0.6: C57.1 126.025,33.1 127.886,31.239 T1.2
NetC57_2: C57.2 R15.2 R19.2 VT3.2 | length 9
  Top Layer w0.6: VT3.2 119.925,35.55 R19.2 120.05,31.125 120.55,30.625 R15.2
NetC58_1: C58.1 T1.4 | length 13.8
  Top Layer w0.6: C58.1 127,20.025 127.875,20.9 T1.4
NetC58_2: C58.2 R16.1 R20.2 VT4.2 | length 9.1
  Top Layer w0.6: VT4.2 119.95,18 R20.2 120.125,19.925 C58.2 120.025,22.05 120.675,22.7 R16.1
NetC59_1: C59.1 R15.1 R16.2 R17.1 R18.2 VD3.1 | length 10.6
  Top Layer w0.6: R17.1 123.875,28.625 R15.1 121.525,28.4 VD3.1 121.525,24.925 R16.2 126.025,24.7 C59.1
NetC61_1: C61.1 R19.1 | length 2.4
  Top Layer w0.6: R19.1 120.05,39.675 C61.1
NetC61_2: C61.2 R22.1 TR2.1 VT3.1 | length 28.2
  Top Layer w0.6: TR2.1 110.55,29.3 110.55,34.55 VT3.1 113.675,37.675 113.675,39.075 114.4,39.8 C61.2
  Top Layer w1: R22.1 108.5,38.6 VT3.1
NetC62_1: C62.1 R20.1 | length 2.5
  Top Layer w0.6: R20.1 120.125,13.5 C62.1
NetC62_2: C62.2 R23.1 TR2.4 VT4.1 | length 30.9
  Top Layer w0.6: VT4.1@110.3,17.275 TR2.4 ; VT4.1 113.7,15.85 113.7,14.25 114.55,13.4 C62.2
  Top Layer w1: R23.1 99.35,15.375 100.275,14.45 108,14.45 VT4.1
NetC63_2: C63.2 R21.2 TR2.2 TR2.3 | length 9.7
  Top Layer w0.6: TR2.3 117.296,26.8 R21.2 C63.2
  Bottom Layer w0.6: TR2.2 114.3,25.8 TR2.3
NetC66_1: C66.1 R22.2 | length 1.9
  Top Layer w1: C66.1 R22.2
NetC67_1: C67.1 R23.2 | length 1.9
  Top Layer w1: R23.2 C67.1
NetC68_1: C68.1 R26.2 | length 5.1
  Top Layer w1: R26.2 C68.1
NetC68_2: C68.2 JP1.1 VT5.3 | length 19.5
  Top Layer w1.8: VT5.3 C68.2@104.897,32.775
  Bottom Layer w2: JP1.1 103.025,38.45 104.897,36.578 VT5.3
NetC69_1: C69.1 R27.2 | length 5.3
  Top Layer w1: C69.1 R27.2@104.925,18.975
NetC69_2: C69.2 JP2.1 VT6.3 | length 13.8
  Top Layer w1.8: C69.2@99.65,22.425 VT6.3
  Bottom Layer w2: JP2.1 94.603,23.103 96.375,24.875 VT6.3
NetC70_1: C70.1 C71.1 DR1.1 TR3.5 | length 32.3
  Top Layer w2: DR1.1 79.6,17.175 81.75,19.325 81.75,22.698 85.602,26.55 TR3.5@86.1,26.55
  Bottom Layer w1: DR1.1 74.75,17.075 C71.1 C70.1
  Bottom Layer w2: TR3.5@86.1,26.55 90.1,26.55 TR3.5@94.35,30.8
NetC72_2: C72.2 R25.3 R33.1 | length 4.2
  Bottom Layer w0.4: R33.1 105.025,57.874 R25.3 R25.3 C72.2
NetC73_2: C73.2 R28.3 R32.1 | length 4.3
  Bottom Layer w0.4: R32.1 116.525,55.725 C73.2 116.555,55.755 R28.3
NetC74_1: C74.1 JP2.2 TR3.2 | length 8.3
  Bottom Layer w2: TR3.2 91.875,17.525 JP2.2@92.003,17.525
NetC74_2: C74.2 TR3.4
NetC75_1: C75.1 JP1.2 TR3.1 | length 10
  Bottom Layer w0.4: 92,33.8 92.063,33.863
  Bottom Layer w2: C75.1 92,33.8 TR3.1 ; 92.063,33.863 JP1.2
NetC75_2: C75.2 TR3.3 | length 7.4
  Bottom Layer w1.5: TR3.3 83.375,27.8 84.225,28.65 84.225,28.675 86.325,30.775 C75.2@89.025,30.775
NetC77_1: C77.1 C79.1 K12.4 K13.5 | length 14.4
  Bottom Layer w1.6: K13.5 K12.4 85.478,58.75 86.65,57.578 C77.1 C79.1
NetC77_2: C77.2 C79.2 K12.3 TR3.6 | length 25.6
  Bottom Layer w1.5: C77.2 89.673,53.528 89.673,48.609 K12.3@89.692,48.59
  Bottom Layer w2: TR3.6 82.85,41.925 84.612,43.687 84.612,48.59 K12.3@89.692,48.59
NetC78_1: C78.1 D1.3 K12.2 | length 24.4
  Top Layer w0.4: v2@73.781,52.744 86.231,52.744 K12.2
  Bottom Layer w0.4: D1.3 69.649,52.723 73.919,52.723 v2(73.929,52.733) 73.94,52.744 76.704,52.744 C78.1
NetK3_3: K11.3 X1.1@129.775,48.2 | length 13.9
  Bottom Layer w0.6: K11.3@120.965,45.6 120.965,48.14 ; K11.3@120.965,50.68 120.965,48.14 ; X1.1@129.775,48.2 129.715,48.14 120.965,48.14
NetK6_5: K6.5 K7.5 K8.5 K9.5 K10.5 TR1.4 | length 69.7
  Top Layer w1.5: TR1.4 7.65,10.425 21.867,10.425 ; K6.5 21.867,10.425 ; K7.5 32.317,12.711 32.317,10.467 32.275,10.425 ; K8.5 42.787,12.711 42.787,10.512 42.7,10.425 ; K9.5 53.276,10.426 53.275,10.425 ; K10.5 61.441,10.425 53.275,10.425 ; 21.867,10.425 32.275,10.425 ; 32.275,10.425 42.7,10.425 ; 42.7,10.425 53.275,10.425
NetK11_5: K11.5 R9.2 R10.1 | length 30.2
  Top Layer w0.6: K11.5 113.36,48.125 115.675,48.125 116.8,47 116.8,44.275 118.175,42.9 127.35,42.9 129.5,40.75 129.5,36.925 R10.1
NetR1_1: R1.1 R2.1 TR1.1 VD1.1 | length 13.8
  Bottom Layer w0.4: TR1.1 14.8,4.275 VD1.1@17.75,4.275 ; R2.1@11.025,13.538 R2.1
  Bottom Layer w1: TR1.1 R2.1@11.025,13.538
NetR3_2: R3.2 R4.2 X3.3 | length 6.3
  Bottom Layer w0.4: R3.2 28.517,2.9 28.536,2.919 X3.3
NetR5_2: R5.2 R7.2 X3.1 | length 7.3
  Bottom Layer w0.4: R5.2 R7.2@28.517,8.219 ; R7.2 R7.2@28.517,8.219 ; R7.2@28.534,8.225 R7.2@28.634,8.325 ; X3.1 28.817,7.919 R7.2@28.517,8.219
NetR6_1: R6.1 R8.1 TR1.2 TR1.8 VD2.1 | length 36.3
  Top Layer w0.4: TR1.2 17.53,19.47 v2(17.532,17.673)
  Bottom Layer w0.4: TR1.8 4.7,23.25 11.025,23.25 R6.1 ; R8.1@10.962,19.95 R8.1@10.962,20.3 ; VD2.1 17.529,8.279 17.529,17.67 v2(17.532,17.673)
  Bottom Layer w1: R8.1@11.025,20.363 11.025,23.25 TR1.2
NetR10_2: R10.2 R11.2 T1.1 | length 10.1
  Top Layer w0.6: R11.2@129.375,34.725 129.525,34.875 131.375,34.875 R10.2@131.386,34.886 ; T1.1 R10.2@131.386,34.886 ; R10.2 R10.2@131.386,34.886
NetR12_2: R12.2 R14.2 VT2.1 | length 6.8
  Bottom Layer w0.4: R14.2 R12.2 111.244,11.625 VT2.1
NetR13_1: R13.1 VT1.1 VT2.2 | length 8.8
  Bottom Layer w0.4: R13.1 115.742,7.425 VT1.1 115.813,7.495 116.62,7.495 116.95,7.825 116.95,9.275 118.192,10.517 VT2.2
NetR24_2: R24.2 R25.1 R28.1 R31.1 | length 17.3
  Bottom Layer w0.4: R25.1 99.944,60.069 101.169,60.069 102.2,61.1 109.025,61.1 111.3,61.1 111.475,60.925 R24.2@111.475,59.85
  Bottom Layer w0.6: R28.1 R24.2@111.475,59.85
NetR25_2: R25.2 R29.1 | length 2.1
  Bottom Layer w0.4: R29.1 102.45,57.841 R25.2
NetR28_2: R28.2 R30.1 | length 2.1
  Bottom Layer w0.4: R30.1@113.55,56 114.015,56.465 R28.2
NetTR1_3: TR1.3 TR1.6 X2.1 | length 17.2
  Top Layer w2: TR1.3 6.875,25.975 7.65,26.75 X2.1@7.65,30.35
  Bottom Layer w0.4: TR1.3 7.425,28.125 12.325,28.125 TR1.6
NetTR3_8: TR3.8 TR3.9 | length 9.1
  Bottom Layer w2: TR3.9 75.625,30.8 TR3.8
POWER: C76.1 C80.2 C81.2 DR1.2 X5.2 | length 20.6
  Top Layer w1: X5.2 87.824,8.899 C76.1
  Bottom Layer w0.4: C81.2 84.125,8 84.15,8 C80.2
  Bottom Layer w2: DR1.2 84.15,9.7 84.15,8 X5.2
RX/TX: R14.1 X1.8 | length 48.5
  Bottom Layer w0.4: X1.8 71.195,5.85 73.65,5.85 77.65,1.85 110.225,1.85 111.219,2.844 R14.1
pads on no net: C53. C56. C76. D1. K1. K2. K3. K4. K5. K6. K7. K8. K9. K10. K11. K12. K12.5 K13. R25.4 R28.4 U3. VD3.4 VT1. VT2. VT3. VT4. X1.6 X1.7 X3.28 X5.13

## Polygon pours and split planes (outlines as drawn)
GND on Top Layer "GND_L01_P000" (solid, remove dead copper, pour order 0): 0,33.625 0,62 136.3,62 136.3,0 0,0
GND on Bottom Layer "Bottom Layer-GND" (solid, remove dead copper, pour order 2): 0,62 136.3,62 136.3,0 0,0 0,33.625

## Keep-outs
Keep-Out Layer:
  lines w0.2: 0,3.375 ccw(c3.375,3.375) 3.375,0 132.925,0 ccw(c132.925,3.375) 136.3,3.375 136.3,58.625 ccw(c132.925,58.625) 132.925,62 20.725,62 3.375,62 ccw(c3.375,58.625) 0,58.625 0,33.625 0,3.375 ; 5,33.625 5,56 17.35,56 17.35,33.625 5,33.625 ; 97.85,2.675 97.85,12.675 106.6,12.675 106.6,2.675 97.85,2.675 ; 97.95,42.65 97.95,52.65 106.7,52.65 106.7,42.65 97.95,42.65

## Other copper
Top Layer:
  rectangle net Net_Z2: 103.95,21.475 105.75,22.75
  rectangle net NetC69_2: 98.75,21.475 100.55,22.625
  pour cut-out: 100.625,39.625 100.625,37.183 100.633,37.175 106.045,37.175 106.045,39.545 106.125,39.625
  pour cut-out: 98.45,18.075 98.458,18.067 103.925,18.067 103.925,16.08 103.845,16 103.726,16.119 100.275,16.119 100.275,17.328 99.878,17.725 98.45,17.725
Bottom Layer:
  rectangle net NetC10_1: 65.033,41.885 66.833,45.585
  rectangle net NetC9_1: 54.608,41.885 56.408,45.585
  rectangle net NetC8_1: 44.033,41.885 45.833,45.585
  rectangle net NetC7_1: 33.533,41.885 35.333,45.585
  rectangle net NetC11_1: 22.725,31.65 24.75,39.925
  rectangle net NetC12_1: 33.3,31.675 35.325,39.925
  rectangle net NetC13_1: 43.725,31.675 45.75,39.85
  rectangle net NetC14_1: 54.325,31.65 56.35,39.85
  rectangle net NetC15_1: 64.725,31.7 66.75,39.95
  rectangle net NetC6_1: 23.05,41.875 24.85,45.575
  rectangle net NetC75_2: 88.65,30.025 89.95,31.5
  rectangle net NetC74_2: 73.975,22.35 78.05,24.25
  rectangle net NetC74_1: 80.025,22.3 86.95,24.3

## Silkscreen, mask and mechanical layers (free items; w line width, h text height)
Top Overlay:
  text "I-vt6" at 111.775,53.772 h2
  text "I-vt5" at 100.65,53.6 h2
  text "https://t.me/TRX_Wolf" at 74.125,45.325 h2
  text "PA_UNIT     Rev.1.2" at 135.5,22.475 h3 r90
  text "+" at 83.575,9.85 h4
  text "4" at 64.475,8.925 h1.52
  text "6" at 67.025,8.925 h1.52
  text "2" at 61.825,8.825 h1.52
  text "GND" at 73.08,8.825 h1.52 r90
  text "TX" at 70.325,8.725 h1.52 r90
  text "5" at 67.089,1.75 h1.52
  text "+12" at 71.325,1.725 h1.52
  text "1" at 61.925,1.7 h1.52
  text "7" at 69.65,1.65 h1.52
  text "3" at 64.525,1.55 h1.52